# Allegro board FMDEMOD-Long.brd (continued)
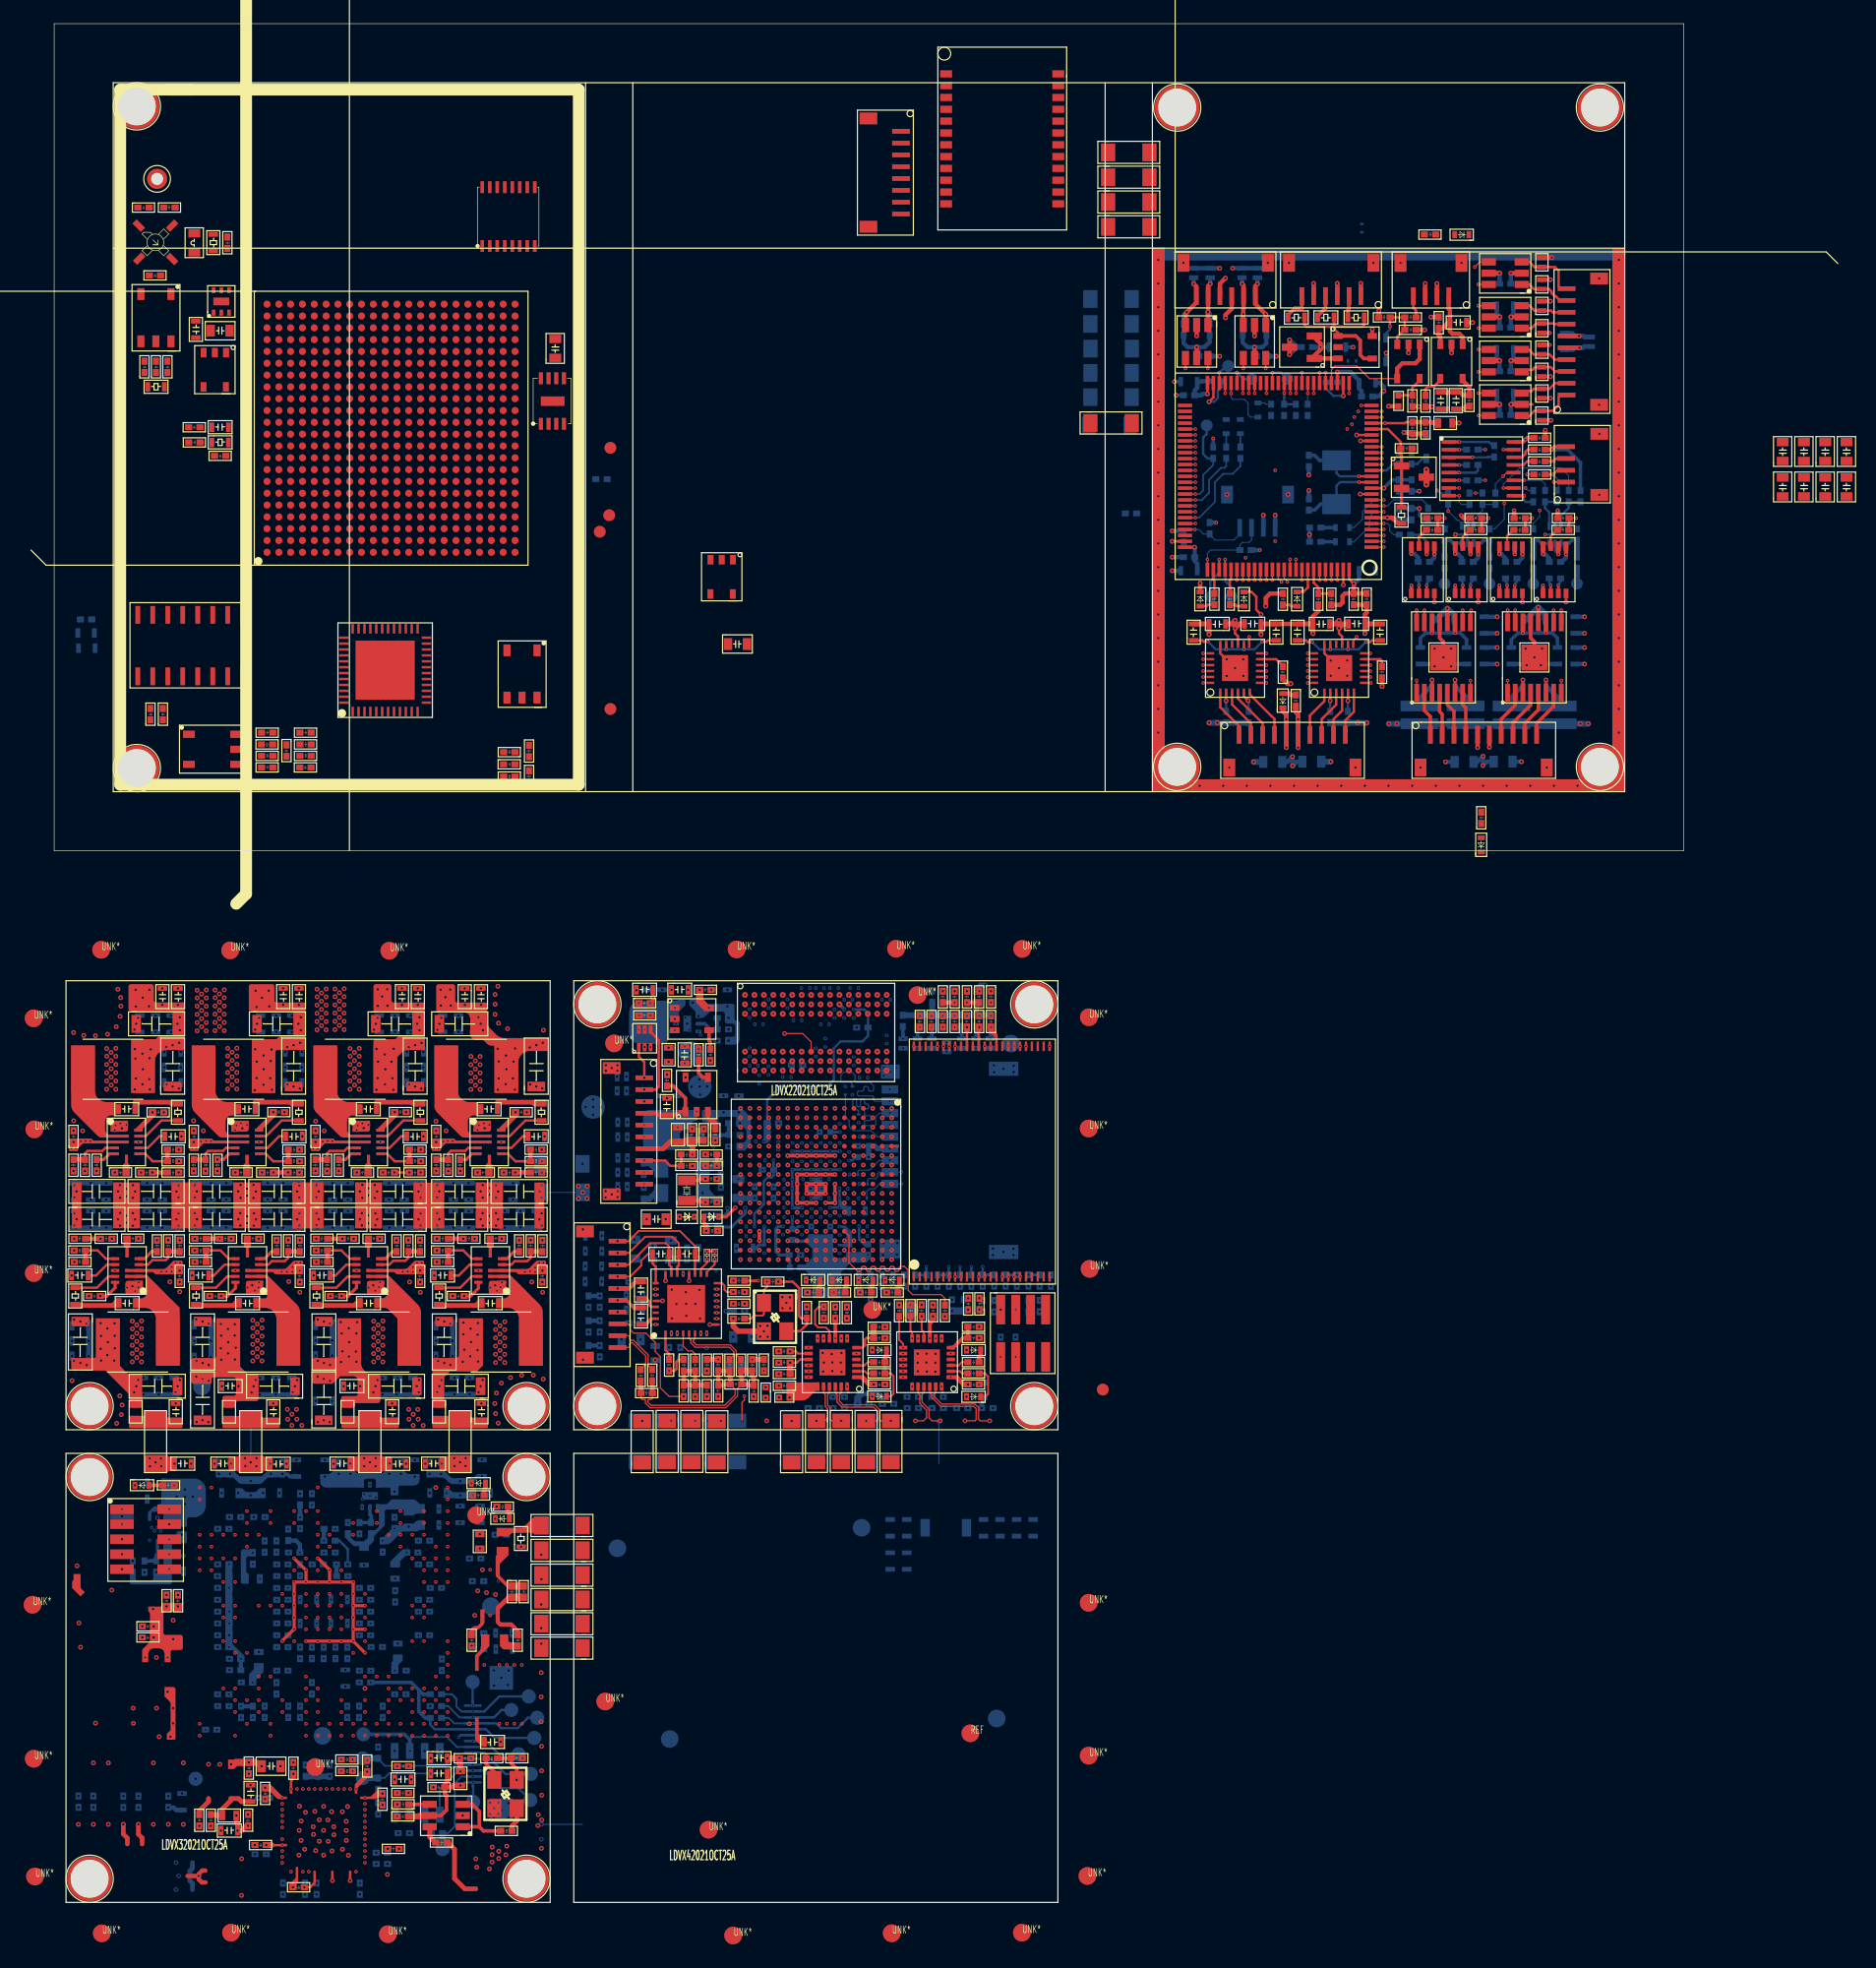
[diagram p0: board, top side]
## Routing (per net, layer and track width the routed paths; a pad name or vN(x,y) marks a point on that pad's centre or on a via; arc(x,y) is an arc through that point) (continued)
VCCA_2V5: length 24.3
  PWR-L6 w0.26: v3(27.32,-69.89) 26.82,-69.38 v4(26.81,-69.38)
  PWR-L6 w0.38: v4(28.82,-57.37) 28.82,-57.39 v3(28.32,-57.89) 27.82,-58.38 v4(27.82,-58.38) ; v4(18.84,-69.39) 18.34,-69.89 v3(18.32,-69.89) 18.32,-69.9 v4(18.82,-70.4) ; v3(17.32,-57.89) 17.82,-58.39 v4(17.82,-58.4) v4(18.81,-58.4) ; v3(27.32,-69.89) 26.82,-70.39 v4(26.8,-70.39)
  BOTTOM w0.2: TP18.1 37.29,-75.08 36.55,-74.34 J9.5 32.23,-74.34 31.84,-73.96 31.84,-73.81 31.84,-73.81 R356.1
  BOTTOM w0.3: 30.89,-71.03 30.89,-72.84 31.43,-73.39 R356.1 ; 30.89,-71.03 31.24,-71.39 R352.1 ; 30.89,-71.03 30.24,-70.39 v4(26.8,-70.39)
  vias: v6(24.66,-70.72) v6(30.02,-57.2)
VCCINT_1V2: length 47.1
  TOP w0.26: v3(20.32,-59.89) v3(21.32,-60.89) v3(21.32,-61.89) ; v3(25.32,-65.89) v3(26.32,-65.89) ; v3(25.32,-65.89) v3(25.32,-64.89) v3(25.32,-63.89) ; v3(25.32,-65.89) v3(25.32,-66.89) ; v3(19.32,-66.89) 19.32,-66.85 20.29,-65.89 v3(20.32,-65.89) v3(20.32,-64.89) v3(20.32,-63.89) v3(20.32,-62.89) v3(20.32,-61.89) v3(21.32,-61.89) ; v3(23.32,-61.89) v3(24.32,-61.89) v3(25.32,-61.89) v3(25.32,-62.89) v3(25.32,-63.89) ; v3(23.32,-61.89) v3(23.32,-60.89) 23.32,-60.85 22.35,-59.89 v3(22.32,-59.89) ; v3(23.32,-61.89) v3(22.32,-61.89) v3(21.32,-61.89) ; v3(26.32,-67.89) v3(25.32,-66.89) ; v3(25.32,-66.89) v3(24.32,-66.89) v3(23.32,-66.89) v3(22.32,-66.89) v3(21.32,-66.89) ; v3(25.32,-63.89) v3(26.32,-63.89)
  PWR-L6 w0.26: v3(20.32,-65.89) 19.82,-66.38 v4(19.8,-66.38) ; v3(21.32,-66.89) 20.82,-67.38 v4(20.82,-67.4) ; v3(20.32,-59.89) 19.81,-60.39 v4(19.8,-60.39) ; v3(22.32,-66.89) 21.82,-67.38 v4(21.82,-67.4) ; v4(20.83,-65.39) 20.82,-65.39 v3(20.32,-64.89) 19.82,-65.39 v4(19.8,-65.39) ; v3(25.32,-63.89) 24.83,-63.4 v4(24.83,-63.37) ; v4(19.8,-67.39) 19.8,-67.37 v3(19.32,-66.89) ; v3(20.32,-62.89) 19.82,-63.39 v4(19.8,-63.39) ; v3(20.32,-62.89) 19.82,-62.39 ; v3(20.32,-62.89) 20.81,-63.37 v4(20.83,-63.37) ; v3(26.32,-67.89) 26.82,-67.39 v4(26.84,-67.39) ; 19.82,-62.39 v3(20.32,-61.89) 19.82,-61.39 v4(19.8,-61.39) ; 19.82,-62.39 v4(19.8,-62.39) ; v3(23.32,-66.89) 22.82,-67.39 v4(22.82,-67.4) ; v4(21.84,-60.39) 21.82,-60.39 v3(21.32,-60.89) ; v3(25.32,-66.89) 24.82,-67.38 v4(24.82,-67.4) ; v3(22.32,-59.89) 22.82,-59.39 v4(22.84,-59.39) ; v3(25.32,-62.89) 25.82,-63.39 v4(25.84,-63.39) ; v3(25.32,-65.89) 25.82,-65.39 v4(25.84,-65.39) ; v3(26.32,-65.89) 26.32,-65.91 v4(25.84,-66.38) ; v3(25.32,-64.89) 24.83,-65.37 v4(24.83,-65.39) ; v4(25.84,-64.39) 26.32,-63.91 v3(26.32,-63.89) ; v4(19.8,-64.39) 19.82,-64.39 v3(20.32,-63.89) ; v3(24.32,-66.89) 23.82,-67.39 v4(23.82,-67.4) ; v4(20.82,-61.36) 20.82,-61.39 v3(21.32,-61.89) ; v4(25.84,-62.39) 25.82,-62.39 v3(25.32,-61.89)
  vias: v3(18.32,-63.89) v4(17.41,-61.62) v4(33.21,-54.35) v4(35.54,-54.35) v6(17.33,-67.81) v6(28.87,-61.6) v6(28.88,-62.61) v6(29.1,-67.1) v6(34.38,-54.55) v6(34.37,-55.46)
VCCIO_3V3: length 62
  TOP w0.5: v5(34.4,-77.9) 34.4,-77.31 34.33,-77.24 v5(34.33,-76.8) v5(33.29,-76.8)
  SIGNAL-L4 w0.26: 28.16,-61.45 26.32,-59.6 26.32,-57.89 ; 28.16,-61.45 28.6,-61.89 v3(31.32,-61.89) ; 28.16,-61.45 29.73,-59.89 v3(30.32,-59.89) ; 26.32,-57.89 24.86,-59.34 v16(24.86,-60.39) ; 26.32,-57.89 v17(27.32,-56.89) v17(29.32,-56.89) 29.77,-56.44 30.87,-56.44 v17(31.32,-56.89) ; 26.32,-57.89 v17(25.32,-57.89)
  PWR-L6 w0.26: v6(15.58,-54.35) 15.04,-54.89 v3(12.32,-54.89) 11.47,-55.74 10.89,-55.74 10.88,-55.72 v5(9.74,-55.72) ; v3(33.32,-54.89) v17(31.32,-56.89) ; v3(30.32,-57.89) v3(30.32,-59.89)
  PWR-L6 w0.3: 29.82,-71.38 29.82,-71.38 v3(30.32,-70.89) ; 29.82,-71.38 v3(30.32,-71.89) ; 29.82,-71.38 v4(29.8,-71.38) ; v3(30.32,-63.89) 30.82,-63.39 v4(30.84,-63.39) ; v4(21.82,-71.37) 21.82,-71.38 v3(21.32,-71.89) 20.82,-72.39 v4(20.82,-72.39) ; v3(15.32,-63.89) 14.82,-64.39 v4(14.81,-64.39) ; v3(28.32,-71.89) 27.82,-72.39 v4(27.82,-72.39) ; v3(30.32,-66.89) 30.82,-66.39 v4(30.84,-66.39) ; v3(30.32,-57.89) 30.82,-58.39 v4(30.84,-58.39) ; v4(14.81,-67.39) 14.82,-67.39 v3(15.32,-66.89) ; v4(14.81,-65.39) 14.82,-65.39 v3(15.32,-64.89) ; v4(31.84,-62.39) 31.82,-62.39 v3(31.32,-61.89) ; v4(17.86,-56.39) 18.32,-56.85 v3(18.32,-56.89) ; v4(17.82,-72.39) 17.82,-72.38 v3(17.32,-71.89) ; v3(15.32,-71.89) 14.82,-72.39 v4(14.81,-72.39) ; v4(25.82,-72.39) 25.82,-72.38 v3(26.32,-71.89) ; v3(30.32,-64.89) 30.82,-64.39 v4(30.84,-64.39) ; v3(16.32,-56.89) 15.82,-56.39 v4(15.8,-56.39) ; v4(12.81,-74.38) 12.81,-74.38 v3(12.32,-73.89) ; v4(24.82,-72.39) 24.82,-72.38 v3(24.32,-71.89) ; v4(14.8,-62.39) 14.82,-62.39 v3(15.32,-61.89) ; v3(15.32,-59.89) 15.3,-59.89 v4(14.8,-60.39) ; v4(15.8,-68.38) 15.82,-68.38 v3(16.32,-67.89) ; v4(19.82,-72.39) 19.82,-72.39 v3(19.32,-71.89) ; v4(14.8,-57.39) 14.82,-57.39 v3(15.32,-57.89) ; v3(32.32,-69.89) 32.82,-69.38 v4(32.82,-69.37) ; 32.8,-74.39 32.82,-74.39 v3(33.32,-73.89) ; v3(15.32,-70.89) 14.82,-71.39 v4(14.8,-71.39)
  PWR-L6 w0.36: v4(30.84,-60.39) 30.82,-60.39 v3(30.32,-59.89)
  BOTTOM w0.2: R311.2 24.15,-58.38 24.86,-59.1 v16(24.86,-60.39) ; v4(35.45,-78.84) 35.45,-79.17 35.48,-79.21 TP25.1
  BOTTOM w0.36: C562.2 v4(15.8,-68.38)
  BOTTOM w0.5: C599.2 C598.2 v6(23.34,-78.33)
  vias: v3(19.31,-80.15) v3(19.31,-84.15) v3(20.06,-79.4) v3(20.32,-55.89) v3(22.32,-56.89) v3(25.56,-79.4) v3(26.31,-80.15) v4(17.96,-84.93) v4(19.82,-57.42) v4(20.82,-57.37) v4(21.82,-55.37) v5(17.86,-79.3) v5(17.95,-84.14) v5(20.26,-78.12) v5(26.51,-77.94) v5(27.8,-79.79) v5(30.02,-77.47) v5(30.24,-78.6) v6(14.81,-66.39) v6(16.65,-54.54) v6(17.69,-54.35) v6(18.24,-80.15) v6(27.44,-79.43) v6(27.43,-80.56) v6(30.11,-81.58) v6(30.09,-83.14) v6(31.38,-76.18) v6(31.93,-83.14) v6(32.65,-76.18) v7(15.82,-73.36)
VDD_ARM_CAP: length 4.6
  TOP w0.26: v3(66.12,-28.2) v3(66.12,-29) v3(66.12,-29.8) v3(65.32,-29.8)
  PWR-L6 w0.26: v3(66.12,-28.2) 66.12,-28.2 v4(66.52,-28.6) ; v4(65.72,-30.19) 65.33,-29.8 v3(65.32,-29.8) ; v3(66.12,-29.8) v4(66.51,-30.19) ; v4(66.52,-29.4) 66.12,-29 v3(66.12,-29)
VDD_COIN_3V: length 5.1
  TOP w0.3: D2.2 55.03,-31.49 55.22,-31.68 v5(55.22,-32.16)
  PWR-L6 w0.3: v5(51.78,-31.18) 52.77,-32.16 v5(55.22,-32.16)
VDD_HIGH_CAP: length 9
  TOP w0.3: v3(59.72,-33) v3(59.72,-32.2)
  PWR-L6 w0.2: v3(59.72,-33) 59.32,-32.6 v4(59.3,-32.6) ; v4(59.3,-31.8) 59.32,-31.8 v3(59.72,-32.2) ; v4(60.91,-26.19) 60.93,-26.19 v3(61.32,-25.8)
  BOTTOM w0.2: v4(59.3,-31.8) 59.3,-30.71 60.1,-29.91 60.1,-27.97 60.4,-27.66 60.74,-27.66 60.92,-27.48 C317.1 60.92,-26.54 60.91,-26.52 v4(60.91,-26.19)
VDD_HIGH_IN: length 5.5
  PWR-L6 w0.2: v4(61.72,-31.8) 61.72,-31.8 v3(61.32,-31.4)
  BOTTOM w0.26: v4(61.72,-31.8) 61.31,-31.8 61.12,-31.99 61.12,-33.92 61.41,-34.21 C405.1 62.24,-34.65 62.3,-34.71 L32.2
VDD_SNVS_3V3: length 24
  SIGNAL-L4 w0.26: v12(52.95,-30.98) 52.95,-29.17 51.05,-27.26 51.05,-16.61 51.81,-15.84 53.36,-15.84 55.45,-13.75 v12(55.45,-13.3)
  PWR-L6 w0.5: v12(55.45,-13.3) 54.67,-12.51 v5(54.67,-11.77) v5(53.67,-11.77)
VDD_SNVS_IN: length 9.6
  TOP w0.26: v3(56.28,-30.98) 56.9,-30.98 v5(57.67,-30.22)
  PWR-L6 w0.1: v4(60.91,-31) 60.91,-30.99 v3(60.52,-30.6)
  PWR-L6 w0.2: v3(60.52,-30.6) 60.52,-30.63 60.83,-30.94 60.83,-31
  PWR-L6 w0.26: v5(57.67,-30.22) 57.93,-30.22 58.07,-30.35 58.07,-30.42 58.33,-30.69 58.71,-30.69 58.76,-30.64 58.98,-30.64 59.38,-31.03 60.09,-31.03 v3(60.52,-30.6)
  PWR-L6 w0.3: v3(54.2,-30.98) 55.95,-30.98 55.95,-30.98 v3(56.28,-30.98) 56.28,-31.31 56.18,-31.41 v3(56.18,-32.16)
VDD_SOC_CAP: length 17.1
  TOP w0.3: v3(64.52,-29.8) v3(63.72,-29.8) v3(62.92,-29.8) U10.L10 v3(62.92,-28.2) v3(62.92,-27.4) v3(63.72,-27.4) v3(64.52,-27.4) v3(65.32,-27.4) v3(66.12,-27.4)
  PWR-L6 w0.2: 66.32,-27.2 65.87,-27.2 65.6,-26.93 64.92,-26.93 ; v3(64.52,-27.4) 64.52,-27.33 64.92,-26.93 ; 64.92,-26.93 64.14,-26.93 64.08,-26.99 63.13,-26.99 63.12,-26.98 62.53,-26.98 62.53,-27.03 62.67,-27.17 62.67,-27.63 62.53,-27.77 62.53,-27.81 62.91,-28.2 ; 64.92,-26.93 65.32,-27.33 v3(65.32,-27.4)
  PWR-L6 w0.22: v3(64.52,-29.8) v3(63.72,-29.8)
  PWR-L6 w0.3: v3(63.72,-29.8) 63.52,-30 63.47,-30 63.37,-30.1 63.27,-30.1 63.17,-30 63.12,-30 v3(62.92,-29.8) ; v3(62.92,-28.2) 62.91,-28.2 ; v3(66.12,-27.4) 66.12,-27.4 66.32,-27.2 ; 62.53,-26.98 62.92,-27.38 v3(62.92,-27.4) ; 63.51,-26.99 63.51,-27.19 v3(63.72,-27.4)
  vias: v4(62.52,-26.98) v4(62.5,-27.83) v4(62.5,-28.59) v4(62.5,-30.2) v4(63.32,-26.98) v4(63.32,-30.19) v4(64.12,-26.98) v4(64.92,-26.98) v4(65.72,-26.98) v4(66.52,-26.98)
VDD_SOC_IN: length 7.9
  TOP w0.3: v3(64.52,-28.2) v3(63.72,-28.2) v3(63.72,-29) v3(64.52,-29) ; v3(64.52,-28.2) v3(65.32,-28.2) v3(65.32,-29) v3(64.52,-29) ; v3(64.52,-28.2) v3(64.52,-29)
  PWR-L6 w0.26: v3(63.72,-28.2) 63.72,-28.18 v4(64.1,-27.8) ; v4(64.92,-29.4) 64.92,-29.4 v3(64.52,-29) 64.12,-29.4 v4(64.1,-29.4) ; v4(64.92,-27.8) 64.92,-27.8 v3(65.32,-28.2)
  vias: v4(55.62,-23.45) v4(65.01,-28.6) v6(55.16,-22.27) v6(56.68,-22.13) v6(57.98,-22.13) v6(58.07,-23.06)
VDD_SOC_IN_PWR:
  vias: v5(27.29,-16.77) v5(27.29,-20.23) v5(27.39,-11.73) v5(27.4,-13.13) v5(27.42,-17.84) v5(27.39,-19.24) v5(27.77,-12.34) v5(27.99,-17.24) v5(28.04,-18.49) v5(28.01,-19.77) v5(28.2,-11.72) v5(28.22,-13.11) v5(28.55,-17.86) v5(28.65,-19.25) v5(28.72,-20.23) v5(28.75,-16.76) v5(29.45,-13.05) v5(30.03,-16.64) v5(30.57,-16.45) v5(30.73,-14.64) v5(30.79,-13.05) v5(30.93,-14.09) v5(30.93,-15.19) v5(31.04,-25.29) v5(31.11,-16.25) v5(31.27,-24.17) v6(27.52,-13.94) v6(28.86,-13.94) v6(29.86,-17.03) v6(29.86,-18.33) v6(29.86,-19.64) v6(30.19,-13.94)
VDDA_ADC_3P3: length 3.1
  PWR-L6 w0.2: 62.52,-31.8 62.52,-31.8 v3(62.12,-31.4) ; v4(63.32,-31.8) 63.31,-31.8 v3(62.92,-31.4)
  BOTTOM w0.2: v4(62.5,-31) 62.5,-31.32 62.51,-31.33 62.51,-32.03 62.75,-32.03 62.98,-31.8 v4(63.32,-31.8)
232_TXD: length 3.7
  TOP w0.2: R368.2 v1(126.95,31.85) 127.3,32.2 J21.2
  BOTTOM w0.1: v1(126.95,31.85) 127.4,31.4 127.4,30.7 127.25,30.55 R345.1 127.25,30.29
A0: length 28.3
  SIGNAL-L4 w0.1: v17(62.92,-25) 62.52,-24.6 62.52,-21.21 63.27,-20.46 63.84,-20.46 66.1,-18.2 66.1,-16.86 66.39,-16.57 67.58,-16.57 67.68,-16.47 67.68,-16.27 67.58,-16.17 66.2,-16.17 66.1,-16.07 66.1,-15.87 66.2,-15.77 67.58,-15.77 67.68,-15.67 67.68,-15.47 67.58,-15.37 65.08,-15.37 64.98,-15.47 64.98,-16.38 64.89,-16.48 64.69,-16.48 64.58,-16.38 64.58,-15.47 64.48,-15.37 64.26,-15.37 64.15,-15.25 64.15,-14.71 64.25,-14.61 67.76,-14.61 68.33,-15.18 68.33,-16.77 v17(68.1,-17)
A1: length 26.9
  SIGNAL-L3 w0.1: v10(68.9,-13.8) 68.52,-13.42 68.52,-11.98 68.61,-11.88 69.19,-11.88 69.32,-12 69.32,-13.25 69.48,-13.41 71.1,-13.41 71.2,-13.51 71.2,-14.14 71.1,-14.24 69.51,-14.24 69.37,-14.38 69.37,-14.78 69.47,-14.88 69.7,-14.88 69.8,-14.98 69.8,-15.57 69.9,-15.67 70.1,-15.67 70.2,-15.57 70.2,-14.98 70.3,-14.88 71.1,-14.88 71.2,-14.98 71.2,-15.5 70.6,-16.1 69.25,-16.1 69.01,-15.86 69.01,-14.84 68.85,-14.69 68.64,-14.69 68.51,-14.82 68.51,-19.34 68.23,-19.62 68.23,-20.48 67.66,-21.06 66.26,-21.06 65.72,-21.59 65.72,-22.2 v10(65.32,-22.6)
A2: length 26.7
  SIGNAL-L4 w0.1: v17(68.9,-17) 68.9,-15.77 69.58,-15.09 70.78,-15.09 71.11,-15.42 71.11,-15.87 70.59,-16.39 69.61,-16.39 69.31,-16.69 69.31,-17.53 69.96,-18.18 72.2,-18.18 72.75,-18.74 72.75,-22 72.46,-22.29 71.05,-22.29 70.58,-21.82 70.58,-20.76 70.05,-20.23 68.1,-20.23 67.39,-19.51 66.88,-19.51 66.52,-19.88 66.52,-20.51 65.64,-21.39 64.13,-21.39 v17(63.72,-21.8)
A3: length 26.4
  SIGNAL-L8 w0.1: v15(62.12,-22.6) 62.74,-23.22 63.2,-23.22 63.37,-23.05 64.02,-23.05 64.12,-22.95 64.12,-22.82 64.02,-22.72 63.4,-22.72 63.3,-22.62 63.3,-22.48 63.41,-22.37 64.1,-22.37 64.2,-22.27 64.2,-22.09 64.1,-21.99 63.43,-21.99 63.28,-21.83 63.28,-21.58 63.38,-21.48 63.61,-21.48 63.71,-21.38 63.71,-21.18 63.61,-21.08 63.38,-21.08 63.28,-20.98 63.28,-20.75 63.38,-20.65 63.83,-20.65 64.48,-21.3 65.07,-21.3 65.17,-21.39 65.17,-21.72 65.27,-21.82 65.47,-21.82 65.57,-21.72 65.57,-21.39 65.67,-21.3 66.1,-21.3 66.2,-21.39 66.2,-22.07 66.56,-22.44 67.13,-22.44 67.42,-22.14 67.42,-21.23 67.13,-20.94 67.13,-20.36 67.5,-19.99 68.66,-19.99 68.76,-19.89 68.76,-19.69 68.66,-19.59 68.33,-19.59 68.23,-19.49 68.23,-18.74 68.43,-18.54 69.13,-18.54 69.23,-18.44 69.23,-17.87 69.13,-17.77 68.61,-17.77 68.51,-17.67 68.51,-17.47 68.61,-17.37 68.8,-17.37 68.9,-17.27 68.9,-17.04 68.68,-16.83 68.27,-16.83 68.08,-17.02 67.84,-17.02 67.65,-16.83 67.13,-16.83 67.03,-16.93 67.03,-17.22 67.13,-17.32 67.95,-17.32 68.1,-17.47 v15(68.1,-17.8)
A4: length 27.3
  SIGNAL-L7 w0.1: v18(68.9,-13) 68.51,-13.39 68.51,-13.62 68.61,-13.72 69.1,-13.72 69.2,-13.82 69.2,-14.02 69.1,-14.12 68.61,-14.12 68.51,-14.22 68.51,-14.42 68.61,-14.52 68.61,-14.73 68.42,-14.92 68.42,-15.06 68.6,-15.24 68.6,-15.38 68.46,-15.53 68.32,-15.53 68.14,-15.35 68,-15.35 67.55,-15.79 67.19,-15.79 66.88,-16.1 66.88,-16.33 66.98,-16.43 67.99,-16.43 68.09,-16.53 68.09,-16.73 67.99,-16.83 66.98,-16.83 66.88,-16.93 66.88,-17.96 67.52,-18.6 67.52,-20.06 66.62,-20.95 66.07,-20.95 65.72,-21.3 65.72,-22.09 65.99,-22.36 66.69,-22.36 66.95,-22.62 66.95,-25.49 66.59,-25.85 64.94,-25.85 64.75,-25.66 64.75,-24.7 65.24,-24.21 65.24,-23.37 64.94,-23.07 64.21,-23.07 64.07,-23.22 64.07,-23.85 v18(63.72,-24.2)
A5: length 28.9
  SIGNAL-L4 w0.1: v17(62.92,-21.8) 62.92,-21.47 63.37,-21.03 63.77,-21.03 63.96,-20.83 64.5,-20.83 64.98,-20.36 65.12,-20.36 65.45,-20.68 65.65,-20.68 65.76,-20.57 65.76,-20.43 65.33,-20 65.33,-19.85 65.53,-19.65 65.67,-19.65 65.85,-19.83 66,-19.83 66.14,-19.69 66.14,-19.55 65.96,-19.37 65.96,-19.23 66.09,-19.09 67.88,-19.09 68.52,-19.73 70.61,-19.73 71.25,-20.36 71.25,-21.53 71.34,-21.63 72.28,-21.63 72.35,-21.56 72.35,-21.33 72.25,-21.23 71.86,-21.23 71.77,-21.13 71.77,-20.93 71.86,-20.83 72.25,-20.83 72.35,-20.73 72.35,-20.53 72.25,-20.43 71.86,-20.43 71.77,-20.33 71.77,-20.13 71.86,-20.03 72.25,-20.03 72.35,-19.93 72.35,-19.4 72.05,-19.1 71.74,-19.1 71.64,-19 71.64,-18.72 71.54,-18.62 71.34,-18.62 71.24,-18.72 71.24,-19 71.14,-19.1 70.94,-19.1 70.84,-19 70.84,-18.72 70.74,-18.62 70.54,-18.62 70.44,-18.72 70.44,-19 70.34,-19.1 69.3,-19.1 69.04,-18.85 69.04,-18.46 68.86,-18.27 67.02,-18.27 66.89,-18.15 66.89,-17.65 67.13,-17.41 68.51,-17.41 v17(68.9,-17.8)
A6: length 28.7
  SIGNAL-L3 w0.1: v10(69.7,-13) 70.37,-12.33 71.01,-12.33 71.19,-12.15 71.19,-11.83 71.29,-11.73 71.62,-11.73 71.73,-11.85 71.73,-12.08 71.86,-12.21 72.09,-12.21 72.19,-12.11 72.19,-11.85 72.29,-11.75 72.49,-11.75 72.59,-11.85 72.59,-12.02 72.69,-12.12 74.23,-12.12 74.34,-12.24 74.34,-12.71 74.24,-12.81 72.78,-12.81 72.67,-12.91 72.67,-13.2 72.57,-13.3 72.28,-13.3 72.18,-13.2 72.18,-12.84 72.08,-12.74 71.83,-12.74 71.73,-12.84 71.73,-13.66 71.83,-13.76 72.51,-13.76 72.61,-13.86 72.61,-14.06 72.51,-14.16 71.83,-14.16 71.73,-14.26 71.73,-14.46 71.83,-14.56 72.51,-14.56 72.61,-14.66 72.61,-14.86 72.51,-14.96 71.83,-14.96 71.73,-15.06 71.73,-15.26 71.83,-15.36 72.51,-15.36 72.61,-15.46 72.61,-15.66 72.51,-15.76 71.83,-15.76 71.73,-15.86 71.73,-16.09 71.33,-16.5 69.56,-16.5 69.3,-16.76 69.3,-19.05 68.69,-19.66 68.69,-20.66 67.91,-21.45 66.69,-21.45 66.5,-21.63 66.5,-22.22 v10(66.12,-22.6)
A7: length 27.5
  SIGNAL-L3 w0.1: v10(65.32,-24.2) 64.9,-23.78 64.9,-23.36 65.3,-22.96 67.64,-22.96 68,-22.6 68,-21.99 69.07,-20.93 69.85,-20.93 69.95,-20.83 69.95,-20.6 69.85,-20.5 69.2,-20.5 69.1,-20.4 69.1,-20.2 69.2,-20.1 69.85,-20.1 69.95,-20 69.95,-19.13 69.98,-19.1 70.35,-19.1 70.35,-20.83 70.45,-20.93 70.65,-20.93 70.75,-20.83 70.75,-19.05 70.87,-18.94 71.05,-18.94 71.15,-19.04 71.15,-20.83 71.25,-20.93 71.48,-20.93 71.89,-20.52 71.89,-20.23 71.99,-20.13 72.63,-20.13 72.73,-20.03 72.73,-19.83 72.63,-19.73 71.99,-19.73 71.89,-19.63 71.89,-19.43 71.99,-19.33 72.63,-19.33 72.73,-19.23 72.73,-19.03 72.63,-18.93 71.99,-18.93 71.89,-18.83 71.89,-18.73 71.79,-18.63 71.3,-18.63 71.19,-18.53 71.19,-18.33 71.3,-18.23 71.79,-18.23 71.89,-18.13 71.89,-17.9 71.43,-17.44 70.06,-17.44 v10(69.7,-17.8)
A8: length 26.7
  SIGNAL-L7 w0.1: v18(64.52,-24.2) 63.75,-24.97 63.75,-25.66 64.22,-26.13 66.81,-26.13 67.46,-25.48 67.46,-24.43 67.29,-24.26 67.29,-24.06 67.39,-23.96 67.8,-23.96 67.93,-23.83 67.93,-23.69 67.8,-23.56 67.7,-23.56 67.6,-23.46 67.6,-22.45 67.87,-22.17 68.19,-22.17 68.36,-22.01 68.5,-22.01 68.89,-22.4 69.03,-22.4 69.17,-22.26 69.17,-22.12 68.78,-21.73 68.78,-21.59 69.3,-21.07 69.3,-18.68 70.1,-17.88 70.1,-17.5 70.34,-17.25 71.12,-17.25 71.22,-17.15 71.22,-16.84 71.32,-16.74 71.58,-16.74 71.65,-16.66 71.65,-16.41 71.58,-16.34 71.32,-16.34 71.22,-16.24 71.22,-15.35 71.32,-15.25 71.92,-15.25 72.02,-15.15 72.02,-14.95 71.92,-14.85 71.32,-14.85 71.22,-14.75 71.22,-14.55 71.32,-14.45 71.92,-14.45 72.02,-14.35 72.02,-14.15 71.92,-14.05 71.32,-14.05 71.22,-13.95 71.22,-13.14 71.08,-13 v18(70.5,-13)
A9: length 29.5
  SIGNAL-L4 w0.1: v17(62.92,-22.6) 63.3,-22.98 66.52,-22.98 66.84,-22.66 68.61,-22.66 68.95,-23 73,-23 73.32,-22.69 73.32,-22.34 73.42,-22.24 74.31,-22.24 74.41,-22.14 74.41,-21.94 74.31,-21.84 73.42,-21.84 73.32,-21.74 73.32,-21.54 73.42,-21.44 74.31,-21.44 74.41,-21.34 74.41,-21.14 74.31,-21.04 73.42,-21.04 73.32,-20.94 73.32,-20.74 73.42,-20.64 74.31,-20.64 74.41,-20.54 74.41,-20.34 74.31,-20.24 73.42,-20.24 73.32,-20.14 73.32,-19.94 73.42,-19.84 74.31,-19.84 74.41,-19.74 74.41,-19.54 74.31,-19.44 73.42,-19.44 73.32,-19.34 73.32,-19.14 73.42,-19.04 74.31,-19.04 74.41,-18.94 74.41,-18.74 74.31,-18.64 73.63,-18.64 73.53,-18.54 73.53,-17.94 72.59,-17 v17(69.7,-17)
A10: length 28.7
  SIGNAL-L3 w0.1: v10(62.12,-24.2) 62.53,-23.79 62.53,-21.4 62.43,-21.3 61.12,-21.3 61.02,-21.2 61.02,-21 61.2,-20.82 62.13,-20.82 62.53,-20.42 62.53,-19.6 63.76,-18.38 63.76,-16.8 63.45,-16.49 62.65,-16.49 62.35,-16.2 62.35,-15.29 61.26,-14.19 61.26,-13.36 60.45,-12.56 58.89,-12.56 58.69,-12.36 58.69,-11.57 58.84,-11.42 60.95,-11.42 61.31,-11.78 61.31,-12.62 61.69,-13 61.7,-13 62.09,-13.4 66.1,-13.4 v10(66.5,-13.8)
A11: length 28
  SIGNAL-L7 w0.1: v18(69.7,-13.8) 69.7,-12.45 70.07,-12.08 70.98,-12.08 72.44,-13.54 72.44,-16.2 72.21,-16.43 72.21,-17.23 69.83,-19.6 69.83,-22.3 68.44,-23.69 68.44,-26.12 68,-26.56 63.42,-26.56 62.95,-26.09 62.95,-24.82 63.27,-24.5 63.27,-24.08 63.65,-23.7 63.65,-23.47 v18(63.72,-23.4)
A12: length 26.6
  SIGNAL-L7 w0.1: v18(68.1,-13.8) 68.1,-12.33 68,-12.22 67.41,-12.22 67.31,-12.33 67.31,-13.86 67.21,-13.96 66.18,-13.96 66.08,-14.06 66.08,-14.26 66.18,-14.36 67.21,-14.36 67.31,-14.46 67.31,-14.98 67.15,-15.15 67.01,-15.15 66.66,-14.8 66.52,-14.8 66.38,-14.94 66.38,-15.08 66.72,-15.43 66.72,-15.57 66.58,-15.71 66.44,-15.71 66.1,-15.37 65.95,-15.37 65.81,-15.51 65.81,-15.65 66.1,-15.94 66.1,-17.2 65.52,-17.78 65.52,-18.68 65.1,-19.1 64.62,-19.1 64.15,-18.63 64.01,-18.63 63.87,-18.77 63.87,-18.91 64.05,-19.1 64.05,-19.24 63.97,-19.31 63.97,-19.45 64.12,-19.6 64.26,-19.6 64.33,-19.52 64.47,-19.52 64.61,-19.66 64.61,-19.8 63.75,-20.67 63.61,-20.67 63.27,-20.33 63.13,-20.33 62.99,-20.47 62.99,-20.62 63.19,-20.81 63.19,-21.55 63.29,-21.65 63.91,-21.65 64.01,-21.75 64.01,-21.95 63.91,-22.05 63.29,-22.05 63.19,-22.15 63.19,-22.35 63.29,-22.45 63.91,-22.45 64.01,-22.55 64.01,-22.75 63.91,-22.85 63.29,-22.85 63.19,-22.95 63.19,-23.61 62.92,-23.87 v18(62.92,-24.2)
A13: length 26.1
  SIGNAL-L3 w0.1: v10(70.5,-17) 72.59,-17 72.75,-17.16 72.75,-17.57 72.96,-17.78 73.46,-17.78 73.66,-17.57 73.66,-16.94 73.3,-16.58 73.3,-15.78 73.53,-15.54 73.98,-15.54 74.21,-15.78 74.21,-17.68 74.31,-17.78 74.53,-17.78 74.63,-17.88 74.63,-18.08 74.53,-18.18 73.2,-18.18 73.11,-18.28 73.11,-18.51 73.2,-18.61 73.99,-18.61 74.09,-18.71 74.09,-18.91 73.99,-19.01 73.2,-19.01 73.11,-19.11 73.11,-19.31 73.2,-19.41 73.99,-19.41 74.09,-19.51 74.09,-19.71 73.99,-19.81 73.2,-19.81 73.11,-19.91 73.11,-20.48 72.25,-21.33 69.23,-21.33 68.5,-22.06 68.5,-22.69 67.8,-23.4 v10(65.32,-23.4)
A14: length 26.4
  SIGNAL-L7 w0.1: v18(70.5,-13.8) 70.12,-14.18 70.12,-14.52 69.64,-15 69.64,-15.14 69.8,-15.3 69.94,-15.3 70.45,-14.79 70.59,-14.79 70.74,-14.93 70.74,-15.07 70.23,-15.58 70.23,-15.72 70.6,-16.1 70.6,-16.24 70.46,-16.38 70.32,-16.38 69.36,-15.42 69.21,-15.42 69.07,-15.56 69.07,-15.7 70.03,-16.66 70.03,-16.8 69.89,-16.94 69.75,-16.94 68.79,-15.99 68.65,-15.99 68.46,-16.17 68.46,-16.4 68.58,-16.52 68.83,-16.52 69.16,-16.85 69.16,-16.99 69.02,-17.14 68.42,-17.14 68.31,-17.25 68.31,-17.45 68.62,-17.77 68.93,-17.77 69.29,-17.41 69.43,-17.41 69.6,-17.58 69.6,-17.75 68.85,-18.51 67.94,-18.51 67.84,-18.61 67.84,-18.78 67.91,-18.84 68.43,-18.84 68.56,-18.97 68.56,-19.08 68.47,-19.19 68.02,-19.19 67.92,-19.28 67.92,-19.48 68.04,-19.6 68.68,-19.6 68.84,-19.76 68.84,-19.96 68.74,-20.06 68.04,-20.06 67.94,-20.16 67.94,-20.36 68.04,-20.46 68.74,-20.46 68.84,-20.56 68.84,-20.76 68.74,-20.86 68.49,-20.86 68.39,-20.96 68.39,-21.22 68.18,-21.42 67.96,-21.42 67.86,-21.32 67.86,-21.14 67.76,-21.04 67.56,-21.04 67.46,-21.14 67.46,-21.32 67.36,-21.42 66.5,-21.42 v18(66.12,-21.8)
A15: length 27.2
  SIGNAL-L3 w0.1: v10(63.72,-25) 63.3,-24.58 63.3,-21.49 63.65,-21.14 63.65,-20.91 63.55,-20.81 63.4,-20.81 63.22,-20.64 63.22,-20.5 63.41,-20.32 64.21,-20.32 64.31,-20.22 64.31,-20.02 64.21,-19.92 63.41,-19.92 63.3,-19.82 63.3,-19.68 63.41,-19.58 64.09,-19.58 64.47,-19.2 64.47,-16.23 64.29,-16.05 62.91,-16.05 62.79,-15.94 62.79,-15.7 62.95,-15.54 64.6,-15.54 64.7,-15.44 64.7,-15.25 64.6,-15.16 63.25,-15.16 63.15,-15.05 63.15,-14.83 63.28,-14.7 65.01,-14.7 65.34,-15.03 67.2,-15.03 67.33,-14.9 67.33,-14.73 67.23,-14.63 65.52,-14.63 65.42,-14.53 65.42,-14.39 65.52,-14.29 67.14,-14.29 67.3,-14.13 v10(67.3,-13.8)
ADC_3V3: length 2.4
  TOP w0.4: v5(16.42,-82.52) 16.27,-82.52 15.86,-82.93 v5(15.53,-82.93) 15.53,-82.34 15.43,-82.24 v5(15.43,-81.65)
  vias: v3(20.06,-86.4) v3(21.06,-86.4) v3(21.56,-86.4) v3(25.56,-86.4) v3(26.31,-85.15) v3(26.31,-85.65) v4(25.88,-87.36) v5(28.25,-84.47) v6(19.37,-87.36) v6(21.24,-87.36) v6(22.22,-87.36) v6(27.27,-84.8) v6(27.27,-85.74)
ARM_ONOFF: length 24.6
  SIGNAL-L3 w0.1: v10(59.72,-27.4) 59.44,-27.68 59.44,-28.39 59.28,-28.55 58.69,-28.55 58.54,-28.7 58.54,-30.8 58.38,-30.97 57.76,-30.97 57.58,-31.16 57.58,-35.33 56.95,-35.95 56.95,-37.59 57.19,-37.84 57.98,-37.84 v11(58.47,-38.33) 58.47,-41.68 59.6,-42.81 59.6,-46.02 59.62,-46.04 59.62,-47.52 v11(60.34,-48.24)
ASDO: length 28.8
  SIGNAL-L8 w0.1: v8(28.84,-76.18) 29.46,-75.56 ; 29.46,-75.56 21.64,-75.56 19.68,-73.6 17.21,-73.6 16.45,-72.85 15.44,-72.85 15.02,-73.27 15.02,-74.59 v15(15.32,-74.89) ; 29.46,-75.56 34.85,-75.56 35.07,-75.34 v9(35.45,-75.34)
  BOTTOM w0.2: v9(35.45,-75.34) 36.55,-75.34 37.66,-76.46 TP19.1
AUD_INT: length 12.3
  SIGNAL-L4 w0.1: v17(60.52,-28.2) 60.07,-28.65 59.43,-28.65 59.3,-28.78 59.3,-30.83 59.16,-30.97 58.74,-30.97 58.6,-31.12 58.44,-31.12 58.3,-30.97 57.94,-30.97 57.8,-31.12 57.18,-31.12 56.67,-31.63 56.67,-35.97 56.11,-36.54 v17(56.11,-37.09)
AUDIO_5V:
  vias: v3(36.43,-68.9) v3(36.91,-60.85) v3(36.91,-64.71) v4(36.13,-59.89) v4(36.37,-61.81) v4(36.37,-66.21) v4(36.38,-67.56) v4(37.39,-66.21) v4(37.4,-67.56) v4(37.62,-61.81) v5(36.04,-59.05)
BA0: length 26.6
  SIGNAL-L8 w0.1: v15(67.3,-17.8) 66.92,-18.18 66.92,-18.48 67.02,-18.58 67.8,-18.58 67.9,-18.68 67.9,-18.86 67.8,-18.96 67.69,-18.96 67.59,-19.06 67.59,-19.47 67.49,-19.57 67.35,-19.57 67.22,-19.44 67.22,-19.03 67.15,-18.96 67.03,-18.96 66.92,-19.08 66.92,-19.38 66.82,-19.48 66.5,-19.48 66.4,-19.38 66.4,-18.22 66.28,-18.1 66.05,-18.1 65.98,-18.17 65.98,-19.09 65.88,-19.19 65.62,-19.19 65.52,-19.08 65.52,-17.84 65.43,-17.75 65.04,-17.75 64.97,-17.82 64.97,-18.17 64.92,-18.22 64.54,-18.22 63.96,-17.64 63.82,-17.64 63.71,-17.74 63.71,-18.09 64.48,-18.86 64.48,-19.08 64.32,-19.24 64,-19.24 63.57,-18.8 63.43,-18.8 63.3,-18.93 63.3,-19.2 63.7,-19.6 64.57,-19.6 64.83,-19.87 64.83,-20.18 64.73,-20.28 63.63,-20.28 63.27,-19.93 62.9,-19.93 62.72,-20.11 62.72,-20.34 62.88,-20.5 62.88,-20.59 62.99,-20.7 62.99,-20.84 62.8,-21.04 62.61,-21.04 62.3,-20.73 62.03,-20.73 61.96,-20.8 61.96,-21.15 62.25,-21.44 62.69,-21.44 62.79,-21.54 62.79,-21.63 62.95,-21.8 62.95,-22.25 62.84,-22.36 62.63,-22.36 62.5,-22.22 61.72,-22.22 61.65,-22.15 61.65,-21.68 61.76,-21.57 61.89,-21.57 v15(62.12,-21.8)
BA1: length 26.1
  SIGNAL-L3 w0.1: v10(68.1,-13) 67.57,-12.47 67.57,-12.19 66.86,-11.48 62.72,-11.48 62.51,-11.69 62.51,-12.28 62.8,-12.57 64.29,-12.57 64.5,-12.36 64.5,-11.94 64.65,-11.79 65.11,-11.79 65.3,-11.98 65.3,-12.4 65.5,-12.59 66.73,-12.59 66.9,-12.76 66.9,-13.28 67.01,-13.39 67.41,-13.39 67.71,-13.68 67.71,-14.44 67.81,-14.54 68.07,-14.54 68.17,-14.64 68.17,-14.84 68.07,-14.94 67.81,-14.94 67.71,-15.04 67.71,-15.24 67.81,-15.34 68.07,-15.34 68.17,-15.44 68.17,-15.64 68.07,-15.74 67.81,-15.74 67.71,-15.84 67.71,-16.07 67.81,-16.17 68.11,-16.17 68.21,-16.27 68.21,-16.47 68.11,-16.57 67.81,-16.57 67.71,-16.67 67.71,-20.02 67.42,-20.31 66.49,-20.31 65.32,-21.47 v10(65.32,-21.8)
BA2: length 26.7
  SIGNAL-L3 w0.1: v10(63.72,-22.6) 64.14,-22.18 64.14,-21.25 64.9,-20.48 64.9,-20.34 64.6,-20.04 64.6,-19.89 64.7,-19.79 64.84,-19.79 65.16,-20.11 65.52,-20.11 65.65,-19.98 65.65,-19.78 65.55,-19.67 65.13,-19.67 64.93,-19.47 64.93,-19.21 65.03,-19.11 65.17,-19.11 65.36,-19.3 65.56,-19.3 65.66,-19.2 65.66,-19.06 65.56,-18.95 65.42,-18.95 65.29,-18.83 65.29,-16.82 65.45,-16.66 65.97,-16.66 66.11,-16.8 66.11,-18.02 66.29,-18.2 66.63,-18.2 66.88,-18.44 66.88,-18.87 66.64,-19.1 66.44,-19.1 66.35,-19.19 66.35,-19.92 66.47,-20.03 67.23,-20.03 67.33,-19.93 67.33,-19.79 67.23,-19.69 66.83,-19.69 66.73,-19.59 66.73,-19.42 66.83,-19.32 67.17,-19.32 67.42,-19.07 67.42,-18.48 66.89,-17.95 66.89,-16.68 66.77,-16.56 66.38,-16.56 66.13,-16.31 65.33,-16.31 65.21,-16.19 65.21,-15.57 65.32,-15.46 66.08,-15.46 66.18,-15.56 66.18,-15.85 66.28,-15.95 66.54,-15.95 66.64,-15.85 66.64,-15.52 66.74,-15.42 67.11,-15.42 67.3,-15.61 v10(67.3,-17)